# Altium PCB PCB3.PcbDoc (part 1 of 3) (continued)
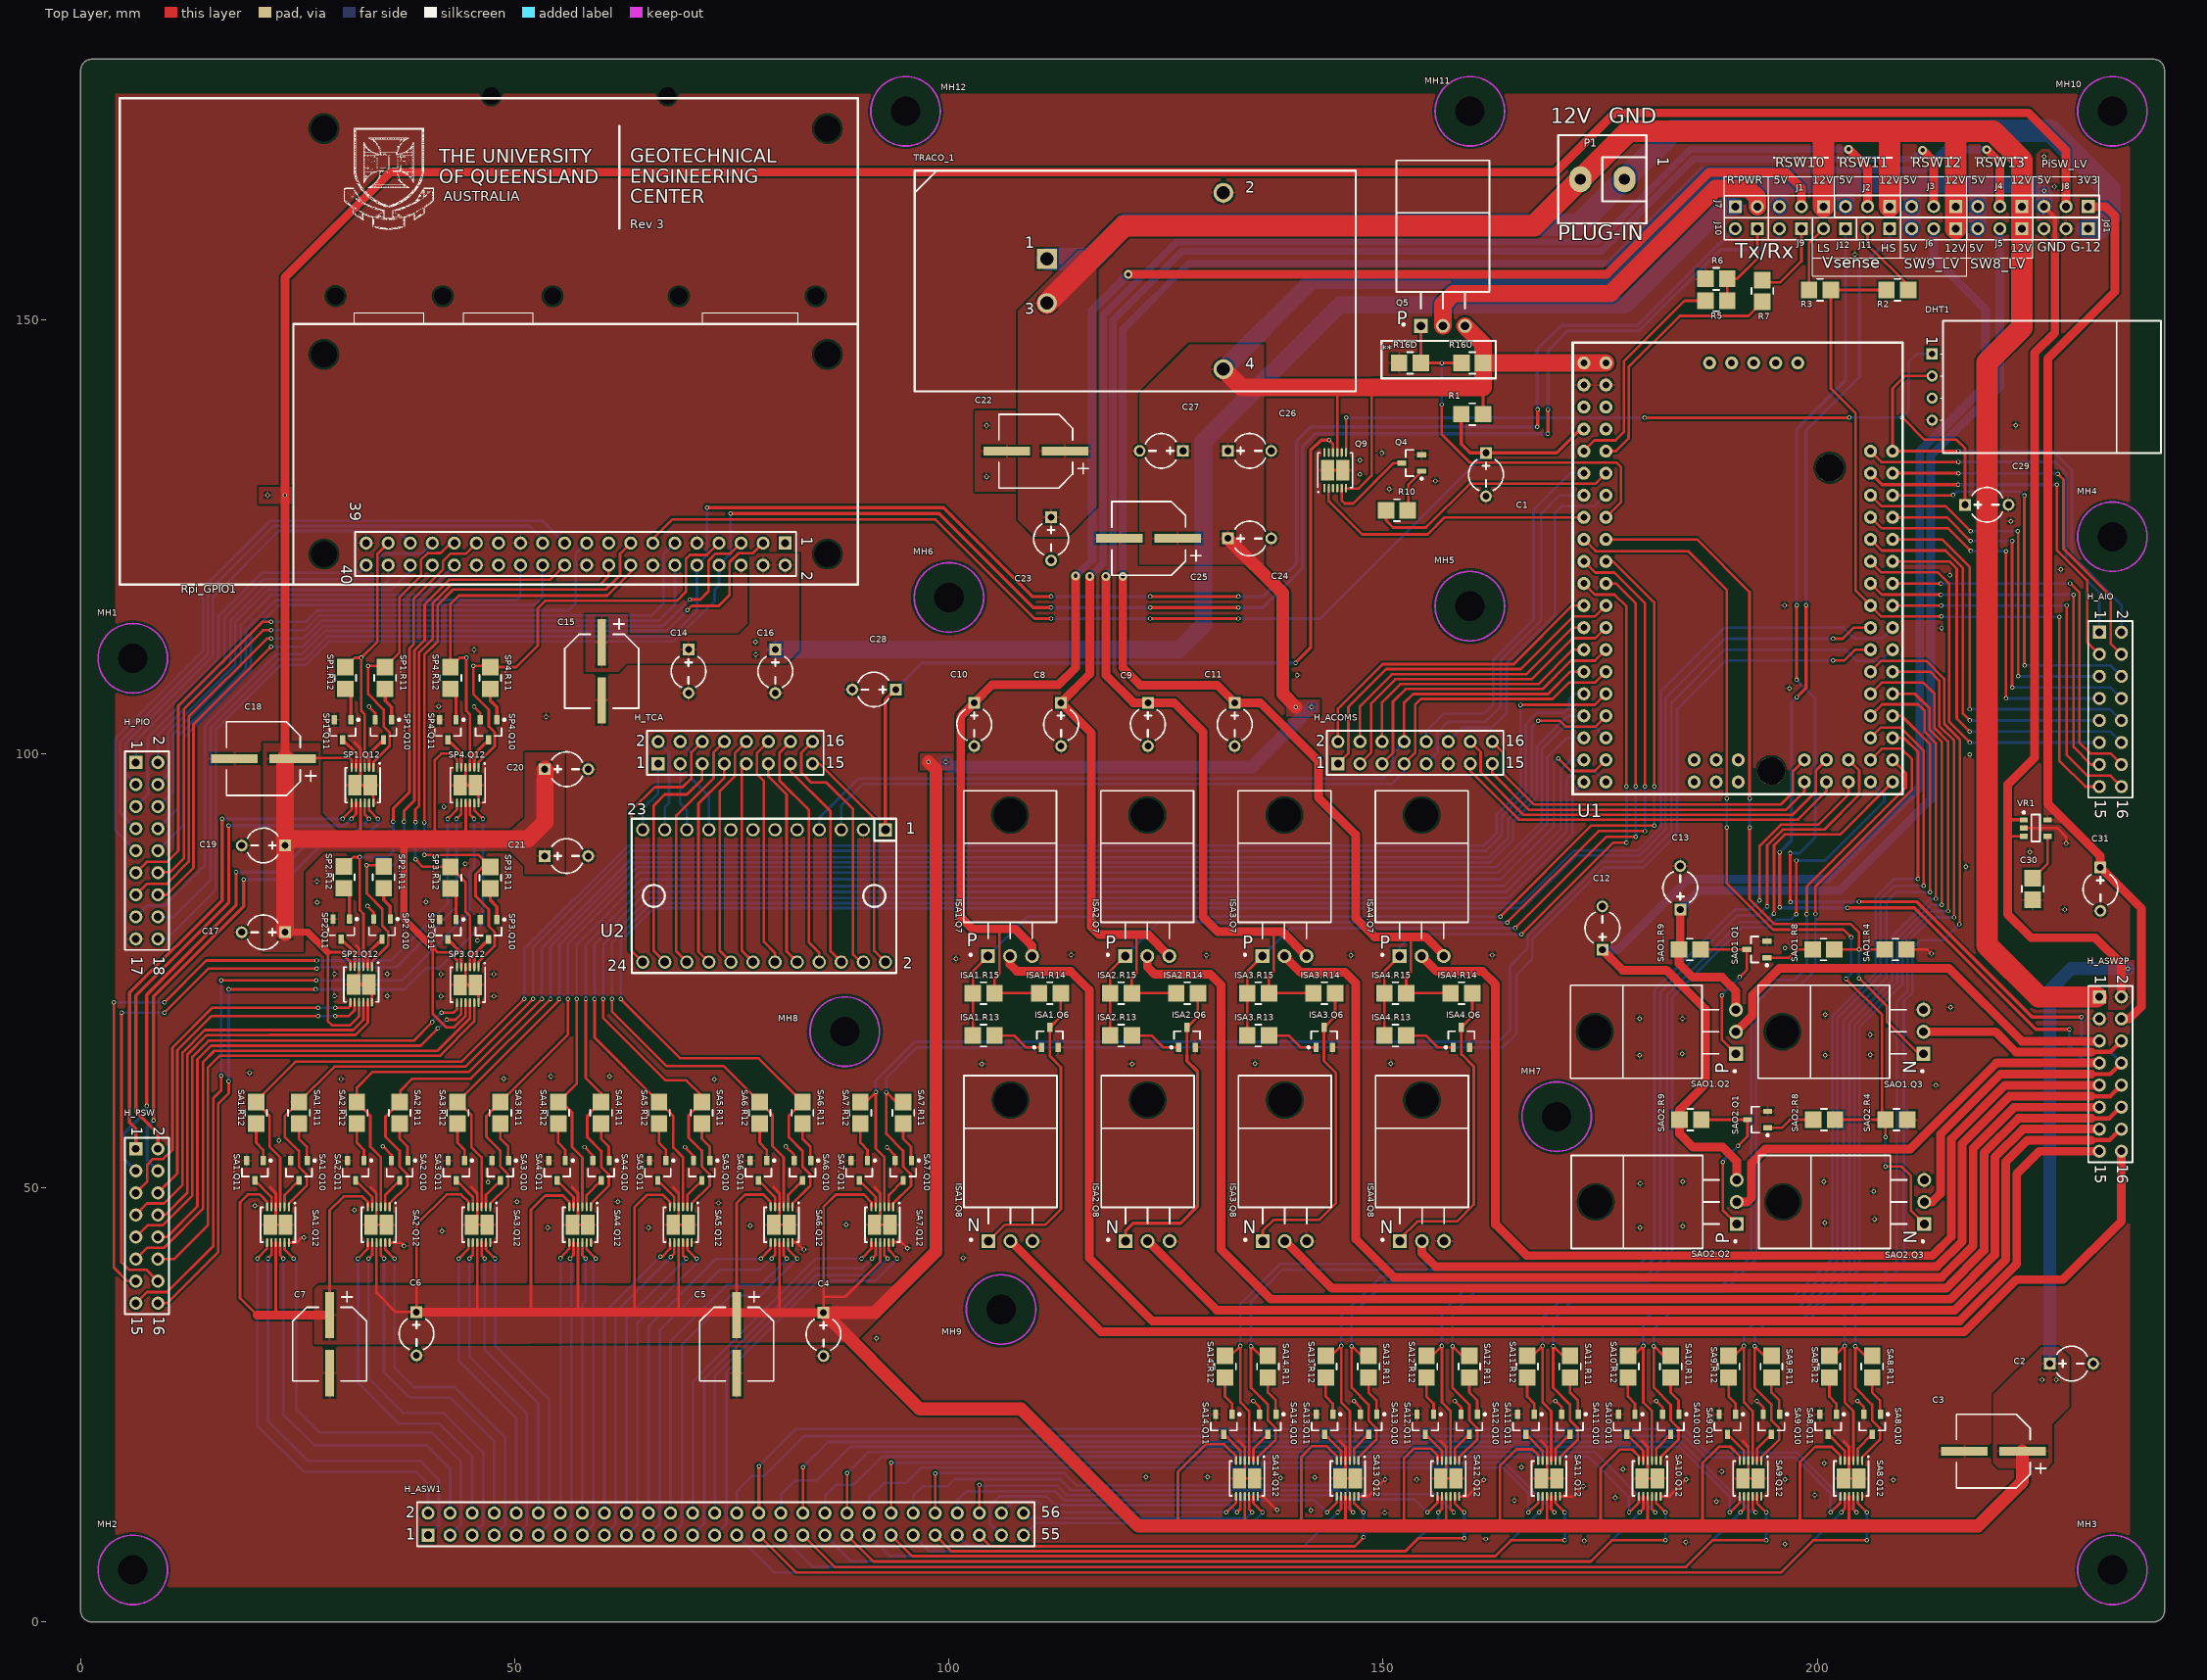
[diagram p0: Top Layer view]
## Components (designator, comment, footprint, x,y, rotation, side; value= is the part's Value field where it differs from the comment) (continued)
Rpi_GPIO1 "Rpi_GPIO" RPI_Z_GPIO_HDR2X20 81.13,124.27 r270 top
SA1.Q10 "BC848B" INF-SOT23_N 25.134,52.001 r270 top (schematic designator Q10)
SA1.Q11 "BC848B" INF-SOT23_N 20.062,52.001 r270 top (schematic designator Q11)
SA1.Q12 "TC8220" DFN400X400X100-12#2 22.72,45.76 r270 top (schematic designator Q12)
SA1.R11 "330" RES-1206_M 25.134,58.637 r270 top (schematic designator R11)
SA1.R12 "330" RES-1206_M 20.199,58.637 r270 top (schematic designator R12)
SA2.Q10 "BC848B" INF-SOT23_N 36.734,52.001 r270 top (schematic designator Q10)
SA2.Q11 "BC848B" INF-SOT23_N 31.662,52.001 r270 top (schematic designator Q11)
SA2.Q12 "TC8220" DFN400X400X100-12#2 34.32,45.76 r270 top (schematic designator Q12)
SA2.R11 "330" RES-1206_M 36.734,58.637 r270 top (schematic designator R11)
SA2.R12 "330" RES-1206_M 31.799,58.637 r270 top (schematic designator R12)
SA3.Q10 "BC848B" INF-SOT23_N 48.334,52.001 r270 top (schematic designator Q10)
SA3.Q11 "BC848B" INF-SOT23_N 43.262,52.001 r270 top (schematic designator Q11)
SA3.Q12 "TC8220" DFN400X400X100-12#2 45.92,45.76 r270 top (schematic designator Q12)
SA3.R11 "330" RES-1206_M 48.334,58.637 r270 top (schematic designator R11)
SA3.R12 "330" RES-1206_M 43.399,58.637 r270 top (schematic designator R12)
SA4.Q10 "BC848B" INF-SOT23_N 59.934,52.001 r270 top (schematic designator Q10)
SA4.Q11 "BC848B" INF-SOT23_N 54.862,52.001 r270 top (schematic designator Q11)
SA4.Q12 "TC8220" DFN400X400X100-12#2 57.52,45.76 r270 top (schematic designator Q12)
SA4.R11 "330" RES-1206_M 59.934,58.637 r270 top (schematic designator R11)
SA4.R12 "330" RES-1206_M 54.999,58.637 r270 top (schematic designator R12)
SA5.Q10 "BC848B" INF-SOT23_N 71.534,52.001 r270 top (schematic designator Q10)
SA5.Q11 "BC848B" INF-SOT23_N 66.462,52.001 r270 top (schematic designator Q11)
SA5.Q12 "TC8220" DFN400X400X100-12#1 69.12,45.76 r270 top (schematic designator Q12)
SA5.R11 "330" RES-1206_M 71.534,58.637 r270 top (schematic designator R11)
SA5.R12 "330" RES-1206_M 66.599,58.637 r270 top (schematic designator R12)
SA6.Q10 "BC848B" INF-SOT23_N 83.134,52.001 r270 top (schematic designator Q10)
SA6.Q11 "BC848B" INF-SOT23_N 78.062,52.001 r270 top (schematic designator Q11)
SA6.Q12 "TC8220" DFN400X400X100-12#2 80.72,45.76 r270 top (schematic designator Q12)
SA6.R11 "330" RES-1206_M 83.134,58.637 r270 top (schematic designator R11)
SA6.R12 "330" RES-1206_M 78.199,58.637 r270 top (schematic designator R12)
SA7.Q10 "BC848B" INF-SOT23_N 94.734,52.001 r270 top (schematic designator Q10)
SA7.Q11 "BC848B" INF-SOT23_N 89.662,52.001 r270 top (schematic designator Q11)
SA7.Q12 "TC8220" DFN400X400X100-12#2 92.32,45.76 r270 top (schematic designator Q12)
SA7.R11 "330" RES-1206_M 94.734,58.637 r270 top (schematic designator R11)
SA7.R12 "330" RES-1206_M 89.799,58.637 r270 top (schematic designator R12)
SA8.Q10 "BC848B" INF-SOT23_N 206.334,22.771 r270 top (schematic designator Q10)
SA8.Q11 "BC848B" INF-SOT23_N 201.262,22.771 r270 top (schematic designator Q11)
SA8.Q12 "TC8220" DFN400X400X100-12#2 203.92,16.53 r270 top (schematic designator Q12)
SA8.R11 "330" RES-1206_M 206.334,29.407 r270 top (schematic designator R11)
SA8.R12 "330" RES-1206_M 201.399,29.407 r270 top (schematic designator R12)
SA9.Q10 "BC848B" INF-SOT23_N 194.734,22.771 r270 top (schematic designator Q10)
SA9.Q11 "BC848B" INF-SOT23_N 189.662,22.771 r270 top (schematic designator Q11)
SA9.Q12 "TC8220" DFN400X400X100-12#2 192.32,16.53 r270 top (schematic designator Q12)
SA9.R11 "330" RES-1206_M 194.734,29.407 r270 top (schematic designator R11)
SA9.R12 "330" RES-1206_M 189.799,29.407 r270 top (schematic designator R12)
SA10.Q10 "BC848B" INF-SOT23_N 183.134,22.771 r270 top (schematic designator Q10)
SA10.Q11 "BC848B" INF-SOT23_N 178.062,22.771 r270 top (schematic designator Q11)
SA10.Q12 "TC8220" DFN400X400X100-12#2 180.72,16.53 r270 top (schematic designator Q12)
SA10.R11 "330" RES-1206_M 183.134,29.407 r270 top (schematic designator R11)
SA10.R12 "330" RES-1206_M 178.199,29.407 r270 top (schematic designator R12)
SA11.Q10 "BC848B" INF-SOT23_N 171.534,22.771 r270 top (schematic designator Q10)
SA11.Q11 "BC848B" INF-SOT23_N 166.462,22.771 r270 top (schematic designator Q11)
SA11.Q12 "TC8220" DFN400X400X100-12#2 169.12,16.53 r270 top (schematic designator Q12)
SA11.R11 "330" RES-1206_M 171.534,29.407 r270 top (schematic designator R11)
SA11.R12 "330" RES-1206_M 166.599,29.407 r270 top (schematic designator R12)
SA12.Q10 "BC848B" INF-SOT23_N 159.934,22.771 r270 top (schematic designator Q10)
SA12.Q11 "BC848B" INF-SOT23_N 154.862,22.771 r270 top (schematic designator Q11)
SA12.Q12 "TC8220" DFN400X400X100-12#2 157.52,16.53 r270 top (schematic designator Q12)
SA12.R11 "330" RES-1206_M 159.934,29.407 r270 top (schematic designator R11)
SA12.R12 "330" RES-1206_M 154.999,29.407 r270 top (schematic designator R12)
SA13.Q10 "BC848B" INF-SOT23_N 148.334,22.771 r270 top (schematic designator Q10)
SA13.Q11 "BC848B" INF-SOT23_N 143.262,22.771 r270 top (schematic designator Q11)
SA13.Q12 "TC8220" DFN400X400X100-12#2 145.92,16.53 r270 top (schematic designator Q12)
SA13.R11 "330" RES-1206_M 148.334,29.407 r270 top (schematic designator R11)
SA13.R12 "330" RES-1206_M 143.399,29.407 r270 top (schematic designator R12)
SA14.Q10 "BC848B" INF-SOT23_N 136.734,22.771 r270 top (schematic designator Q10)
SA14.Q11 "BC848B" INF-SOT23_N 131.662,22.771 r270 top (schematic designator Q11)
SA14.Q12 "TC8220" DFN400X400X100-12#2 134.32,16.53 r270 top (schematic designator Q12)
SA14.R11 "330" RES-1206_M 136.734,29.407 r270 top (schematic designator R11)
SA14.R12 "330" RES-1206_M 131.799,29.407 r270 top (schematic designator R12)
SAO1.Q1 "BC848B" INF-SOT23_N 193.063,77.456 r180 top (schematic designator Q1)
SAO1.Q2 "MOSFET-P" TO-220AB_TABDOWN_PMOS#1 190.648,67.98 r90 top (schematic designator Q2)
SAO1.Q3 "MOSFET-N" TO-220AB_TABDOWN_NMOS 212.25,67.98 r90 top (schematic designator Q3)
SAO1.R4 "10K" RES-1206_M 209.043,77.456 r180 top (schematic designator R4)
SAO1.R8 "330" RES-1206_M 200.723,77.456 r180 top (schematic designator R8)
SAO1.R9 "4K7" RES-1206_M 185.331,77.456 r180 top (schematic designator R9)
SAO2.Q1 "BC848B" INF-SOT23_N 193.14,57.86 r180 top (schematic designator Q1)
SAO2.Q2 "MOSFET-P" TO-220AB_TABDOWN_PMOS#1 190.725,48.384 r90 top (schematic designator Q2)
SAO2.Q3 "MOSFET-N" TO-220AB_TABDOWN_NMOS 212.327,48.384 r90 top (schematic designator Q3)
SAO2.R4 "10K" RES-1206_M 209.12,57.86 r180 top (schematic designator R4)
SAO2.R8 "330" RES-1206_M 200.8,57.86 r180 top (schematic designator R8)
SAO2.R9 "4K7" RES-1206_M 185.409,57.86 r180 top (schematic designator R9)
SP1.Q10 "BC848B" INF-SOT23_N 34.868,102.766 r270 top (schematic designator Q10)
SP1.Q11 "BC848B" INF-SOT23_N 30.168,102.766 r270 top (schematic designator Q11)
SP1.Q12 "TC8220" DFN400X400X100-12#2 32.468,96.386 r270 top (schematic designator Q12)
SP1.R11 "330" RES-1206_M 35.06,108.729 r270 top (schematic designator R11)
SP1.R12 "330" RES-1206_M 30.468,108.729 r270 top (schematic designator R12)
SP2.Q10 "BC848B" INF-SOT23_N 34.704,79.807 r270 top (schematic designator Q10)
SP2.Q11 "BC848B" INF-SOT23_N 30.004,79.807 r270 top (schematic designator Q11)
SP2.Q12 "TC8220" DFN400X400X100-12#2 32.304,73.427 r270 top (schematic designator Q12)
SP2.R11 "330" RES-1206_M 34.896,85.77 r270 top (schematic designator R11)
SP2.R12 "330" RES-1206_M 30.304,85.77 r270 top (schematic designator R12)
SP3.Q10 "BC848B" INF-SOT23_N 46.978,79.767 r270 top (schematic designator Q10)
SP3.Q11 "BC848B" INF-SOT23_N 42.278,79.767 r270 top (schematic designator Q11)
SP3.Q12 "TC8220" DFN400X400X100-12#2 44.578,73.387 r270 top (schematic designator Q12)
SP3.R11 "330" RES-1206_M 47.17,85.73 r270 top (schematic designator R11)
SP3.R12 "330" RES-1206_M 42.578,85.73 r270 top (schematic designator R12)
SP4.Q10 "BC848B" INF-SOT23_N 46.978,102.766 r270 top (schematic designator Q10)
SP4.Q11 "BC848B" INF-SOT23_N 42.278,102.766 r270 top (schematic designator Q11)
SP4.Q12 "TC8220" DFN400X400X100-12#2 44.578,96.386 r270 top (schematic designator Q12)
SP4.R11 "330" RES-1206_M 47.17,108.729 r270 top (schematic designator R11)
SP4.R12 "330" RES-1206_M 42.578,108.729 r270 top (schematic designator R12)
TRACO_1 "TRACO_12vto5.1_151121" TRACO_12VTO5.1_151121 121.454,154.45 r0 top
U1 "MEGA2560-PRO-MINI" MEGA2560PRO-MINI 171.846,147.35 r270 top locked
U2 "TCA9548A_Breakout" TCA9548 78.704,83.63 r270 top
VR1 "TS5205CX533" SOT-25 225.17,91.44 r0 top

## Footprints (in the part's own frame and the unit in brackets; to place one, negate y for a bottom-side part, rotate by r counter-clockwise, add the part's x,y. Pads: shape width x height; smd on the part's side, far side on the other; paste and mask are expansions set on the pad)
CAPAE9083X80M [mm] "Aluminum Electrolytic Capacitor, Case 8x6.5mm, Body 8.30x8.30x8.00mm, IPC Low Density; Support 4x5.5mm,5x5.5mm, 6.3x5.5mm, 6.3x6.3mm, 6.3x8mm"
  rect 5.35x1 smd: 1(-3.35,0) 2(3.35,0)
  silkscreen extent -6.05,-4.25 4.25,4.25, body extent -4.5,-4.25 4.5,4.25, height 8
CAPR5-4X5 [mm] "Capacitor; 2 Leads"
  rect 1.35x1.35 hole 0.8: 1(-2.5,0)
  round 1.35 hole 0.8: 2(2.5,0)
  silkscreen extent -1.69,-2 1.82,2
DFN400X400X100-12#1 [mm] "12-Lead DFN Plastic Package (4mm x 4mm) 0.5mm Pitch"
  rect 1x0.25 smd mask+0.07: 1(-2.05,1.25)
  oval 1x0.25 smd mask+0.07: 2(-2.05,0.75) 3(-2.05,0.25) 4(-2.05,-0.25) 5(-2.05,-0.75) 6(-2.05,-1.25) 7(2.05,-1.25) 8(2.05,-0.75) 9(2.05,-0.25) 10(2.05,0.25) 11(2.05,0.75) 12(2.05,1.25)
  rect 2.35x1.55 smd mask+0.08: 13(0,0.88) 13(0,-0.88)
  Top Layer lines w0.305: 0,0.88 0,-0.88
  silkscreen extent -2.51,-2 2,2, body extent -2,-2 2,2, height 1
DFN400X400X100-12#2 [mm] "12-Lead DFN Plastic Package (4mm x 4mm) 0.5mm Pitch"
  rect 1x0.25 smd mask+0.07: 1(-2.05,1.25)
  oval 1x0.25 smd mask+0.07: 2(-2.05,0.75) 3(-2.05,0.25) 4(-2.05,-0.25) 5(-2.05,-0.75) 6(-2.05,-1.25) 7(2.05,-1.25) 8(2.05,-0.75) 9(2.05,-0.25) 10(2.05,0.25) 11(2.05,0.75) 12(2.05,1.25)
  rect 2.35x1.55 smd mask+0.08: 13(0,0.88) 13(0,-0.88)
  Top Layer lines w0.305: 0,-0.88 0,0 0,0.88
  silkscreen extent -2.51,-2 2,2, body extent -2,-2 2,2, height 1
DHT22_HORIZONTAL [mil]
  rect 50x50 hole 30: 1(-150,0)
  round 50 hole 30: 2(-50,0) 3(50,0) 4(150,0)
  silkscreen extent -300,36 300,1038
HDR1X2 [mm] "Connector; Header; 2 Position"
  rect 1.5x1.5 hole 0.9: 1(0,0)
  round 1.5 hole 0.9: 2(2.54,0)
  silkscreen extent -1.27,-1.27 3.81,1.27
HDR1X3 [mm] "Connector; Header; 3 Position"
  rect 1.5x1.5 hole 0.9: 1(0,0)
  round 1.5 hole 0.9: 2(2.54,0) 3(5.08,0)
  silkscreen extent -1.27,-1.27 6.35,1.27
HDR2X8 [mm] "Connector; Header; 8x2 Position"
  rect 1.5x1.5 hole 0.9: 1(0,0)
  round 1.5 hole 0.9: 2(0,2.54) 3(2.54,0) 4(2.54,2.54) 5(5.08,0) 6(5.08,2.54) 7(7.62,0) 8(7.62,2.54) 9(10.16,0) 10(10.16,2.54) 11(12.7,0) 12(12.7,2.54) 13(15.24,0) 14(15.24,2.54) 15(17.78,0) 16(17.78,2.54)
  silkscreen extent -1.27,-1.27 19.05,3.81
HDR2X9 [mm] "Connector; Header; 9x2 Position"
  rect 1.5x1.5 hole 0.9: 1(0,0)
  round 1.5 hole 0.9: 2(0,2.54) 3(2.54,0) 4(2.54,2.54) 5(5.08,0) 6(5.08,2.54) 7(7.62,0) 8(7.62,2.54) 9(10.16,0) 10(10.16,2.54) 11(12.7,0) 12(12.7,2.54) 13(15.24,0) 14(15.24,2.54) 15(17.78,0) 16(17.78,2.54) 17(20.32,0) 18(20.32,2.54)
  silkscreen extent -1.27,-1.27 21.59,3.81
HDR2X28 [mm] "Connector; Header; 28x2 Position"
  rect 1.5x1.5 hole 0.9: 1(0,0)
  round 1.5 hole 0.9: 2(0,2.54) 3(2.54,0) 4(2.54,2.54) 5(5.08,0) 6(5.08,2.54) 7(7.62,0) 8(7.62,2.54) 9(10.16,0) 10(10.16,2.54) 11(12.7,0) 12(12.7,2.54) 13(15.24,0) 14(15.24,2.54) 15(17.78,0) 16(17.78,2.54) 17(20.32,0) 18(20.32,2.54) 19(22.86,0) 20(22.86,2.54) 21(25.4,0) 22(25.4,2.54) 23(27.94,0) 24(27.94,2.54) 25(30.48,0) 26(30.48,2.54) 27(33.02,0) 28(33.02,2.54) 29(35.56,0) 30(35.56,2.54) 31(38.1,0) 32(38.1,2.54) 33(40.64,0) 34(40.64,2.54) 35(43.18,0) 36(43.18,2.54) 37(45.72,0) 38(45.72,2.54) 39(48.26,0) 40(48.26,2.54) 41(50.8,0) 42(50.8,2.54) 43(53.34,0) 44(53.34,2.54) 45(55.88,0) 46(55.88,2.54) 47(58.42,0) 48(58.42,2.54) 49(60.96,0) 50(60.96,2.54) 51(63.5,0) 52(63.5,2.54) 53(66.04,0) 54(66.04,2.54) 55(68.58,0) 56(68.58,2.54)
  silkscreen extent -1.27,-1.27 69.85,3.81
INF-SOT23_N [mm] "SOT23, 3-Leads, Body 2.9x1.3 mm, Pitch 0.95 mm, IPC Medium Density"
  rect 1.05x0.6 smd: 1(-1.15,0.95) 2(-1.15,-0.95) 3(1.15,0)
  silkscreen extent -1.27,-1.5 0.7,1.92, body extent -0.7,-1.5 0.7,1.5, height 1.1
M3 [mm] "M3 Screw Mounting Hole, 6mm Head Diameter Clearance"
  round 0 hole 3.4 unplated: 0(0,0)
  Keep-Out Layer circle w0.2: c0,0 r4
MEGA2560PRO-MINI [mm]
  round 3.2 hole 3.2 unplated: 0(14.405,29.601) 0(49.33,22.87)
  round 1.5 / inner round 1.524 / far side round 1.676 hole 0.8: 5V@3(50.6,19.06) A0(12.5,36.84) A1(12.5,34.3) A2(15.04,36.84) A3(15.04,34.3) A4(17.58,36.84) A5(17.58,34.3) A6(20.12,36.84) A7(20.12,34.3) A8(22.66,36.84) A9(22.66,34.3) A10(25.2,36.84) A11(25.2,34.3) A12(27.74,36.84) A13(27.74,34.3) A14(30.28,36.84) A15(30.28,34.3) AREF(9.96,3.82) D2(15.04,3.82) D3(15.04,1.28) D4(17.58,3.82) D5(17.58,1.28) D6(20.12,3.82) D7(20.12,1.28) D8(22.66,3.82) D9(22.66,1.28) D10(25.2,3.82) D11(25.2,1.28) D12(27.74,3.82) D13(27.74,1.28) D14(30.28,3.82) D15(30.28,1.28) D16(32.82,3.82) D17(32.82,1.28) D18(35.36,3.82) D19(35.36,1.28) D20(37.9,3.82) D21(37.9,1.28) D22(40.44,3.82) D23(40.44,1.28) D24(42.98,3.82) D25(42.98,1.28) D26(45.52,3.82) D27(45.52,1.28) D28(48.06,3.82) D29(48.06,1.28) D30(50.6,3.82) D31(50.6,1.28) D32(32.82,36.84) D33(32.82,34.3) D34(35.36,36.84) D35(35.36,34.3) D36(37.9,36.84) D37(37.9,34.3) D38(40.44,36.84) D39(40.44,34.3) D40(42.98,36.84) D41(42.98,34.3) D42(45.52,36.84) D43(45.52,34.3) D44(48.06,36.84) D45(48.06,34.3) D46(50.6,36.84) D47(50.6,34.3) D48(50.6,31.76) D49(48.06,31.76) D50(50.6,29.22) D51(48.06,29.22) D52(50.6,26.68) D53(48.06,26.68) GND@1(4.88,1.28) GND@2(4.88,3.82) GND@3(50.6,13.98) GND@4(2.34,25.918) MISO(48.06,19.06) MOSI(50.6,16.52) RESET(48.06,13.98) RST@1(9.96,1.28) RST@2(2.34,15.758) RX@1(12.5,3.82) RX@2(2.34,20.838) SCK(48.06,16.52) TX@1(12.5,1.28) TX@2(2.34,18.298) VCC@1(7.42,1.28) VCC@2(7.42,3.82) VCC@3(2.34,23.378) VIN@1(2.34,1.28) VIN@2(2.34,3.82)
  silkscreen extent 0,0 52,38
PHOENIX_2PIN [mm]
  oval 3x2.5 hole 1.27: 1(0,2.54) 2(0,-2.54)
  silkscreen extent -5.08,-5.08 5.08,5.08
RES-1206_M [mm] "Chip Resistor, 2-Leads, Body 3.2x1.6mm, IPC Low Density, 0805 Compliant"
  rect 1.9x1.9 smd: 1(-1.25,0) 2(1.25,0)
  silkscreen extent -0.35,-1.25 0.35,1.25, body extent -1.65,-0.87 1.65,0.87, height 0.65
RPI_Z_GPIO_HDR2X20 [mm] "Connector; Header; 20x2 Position"
  round 1.524 hole 3 unplated: 0(-47.73,-53.13) 0(-47.73,4.87) 0(-21.73,4.87) 0(-21.73,-53.13) 0(1.27,-53.13) 0(1.27,4.87)
  rect 1.5x1.5 hole 0.9: 1(0,0)
  round 1.5 hole 0.9: 2(2.54,0) 3(0,-2.54) 4(2.54,-2.54) 5(0,-5.08) 6(2.54,-5.08) 7(0,-7.62) 8(2.54,-7.62) 9(0,-10.16) 10(2.54,-10.16) 11(0,-12.7) 12(2.54,-12.7) 13(0,-15.24) 14(2.54,-15.24) 15(0,-17.78) 16(2.54,-17.78) 17(0,-20.32) 18(2.54,-20.32) 19(0,-22.86) 20(2.54,-22.86) 21(0,-25.4) 22(2.54,-25.4) 23(0,-27.94) 24(2.54,-27.94) 25(0,-30.48) 26(2.54,-30.48) 27(0,-33.02) 28(2.54,-33.02) 29(0,-35.56) 30(2.54,-35.56) 31(0,-38.1) 32(2.54,-38.1) 33(0,-40.64) 34(2.54,-40.64) 35(0,-43.18) 36(2.54,-43.18) 37(0,-45.72) 38(2.54,-45.72) 39(0,-48.26) 40(2.54,-48.26)
  silkscreen extent -51.23,-76.63 4.77,8.37, body extent -26.52,-56.63 4.71,8.37, height 13.35
SOT-25 [mm] "SOT25, 5-Leads, Body 2.90x2.70mm, Pitch 0.95mm, IPC Medium Density"
  rect 0.95x0.6 smd: 1(-1.375,0.95) 2(-1.375,0) 3(-1.375,-0.95) 4(1.375,-0.95) 5(1.375,0.95)
  silkscreen extent -1.5,-1.55 0.5,1.92, body extent -1.5,-1.55 1.5,1.55, height 1.25
TCA9548 [mil]
  rect 60x60 hole 40: 1(-300,550)
  round 60 hole 40: 2(300,550) 3(-300,450) 4(300,450) 5(-300,350) 6(300,350) 7(-300,250) 8(300,250) 9(-300,150) 10(300,150) 11(-300,50) 12(300,50) 13(-300,-50) 14(300,-50) 15(-300,-150) 16(300,-150) 17(-300,-250) 18(300,-250) 19(-300,-350) 20(300,-350) 21(-300,-450) 22(300,-450) 23(-300,-550) 24(300,-550)
  silkscreen extent -350,-600 350,600
TO-220AB_TABDOWN_NMOS [mm] "TO, Thru-Hole, Horizontal, Heatsink Mounted; 3 In-Line Leads; Pitch 2.54 mm"
  round 0 hole 3.8 unplated: 0(0,16.25)
  rect 1.6x1.6 hole 1: 1(-2.54,0)
  round 1.6 hole 1: 2(0,0) 3(2.54,0)
  silkscreen extent -5.35,0.03 5.35,19.05, body extent -5.4,3.83 5.4,19.04, height 4.65
TO-220AB_TABDOWN_PMOS#1 [mm] "TO, Thru-Hole, Horizontal, Heatsink Mounted; 3 In-Line Leads; Pitch 2.54 mm"
  round 0 hole 3.8 unplated: 0(0,16.25)
  rect 1.6x1.6 hole 1: 1(-2.54,0)
  round 1.6 hole 1: 2(0,0) 3(2.54,0)
  silkscreen extent -5.35,0.03 5.35,19.05, body extent -5.4,3.83 5.4,19.04, height 4.65
TO-220AB_TABDOWN_PMOS#2 [mm] "TO, Thru-Hole, Horizontal, Heatsink Mounted; 3 In-Line Leads; Pitch 2.54 mm"
  round 0 on Top Overlay: 0(0,16.25)
  rect 1.6x1.6 hole 1: 1(-2.54,0)
  round 1.6 hole 1: 2(0,0) 3(2.54,0)
  silkscreen extent -5.35,0.03 5.35,19.05, body extent -5.4,3.83 5.4,19.04, height 4.65
TRACO_12VTO5.1_151121 [mil]
  rect 90x90 hole 60: 1(-400,100)
  round 90 hole 60: 2(400,400) 3(-400,-100) 4(400,-400)
  silkscreen extent -1000,-500 1000,500, body extent -1000,-500 1000,500, height 402

## Part data
C1 C3 C5 C7 C8 C9 C10 C11 C12 C13 C14 C15 C16 C17 C18 C19 C20 C21 C22 C23 C24 C25 C26 C27 C28 C29 C30 C31: library part Cap2, "Capacitor", PackageDescription="Capacitor; 2 Leads", PackageReference=CAPR5-4X5, Published=23-Sep-2002, Publisher="Altium Limited"
  C1 C5 C15 C17 C22 C24: Link=https://au.rs-online.com/web/p/ceramic-multilayer-capacitors/6995137/
  C3 C7 C18 C20 C23 C28 C29: Link=https://au.rs-online.com/web/p/aluminium-capacitors/1918277/
  C8 C9 C10 C11 C12 C13 C14 C19 C21 C25 C26 C27 C30 C31: Link=https://au.rs-online.com/web/p/aluminium-capacitors/2244325/
C2 C4 C6: library part Cap2, "Capacitor, Could also be 10u,220u", PackageDescription="Capacitor; 2 Leads", PackageReference=CAPR5-4X5, Published=23-Sep-2002, Publisher="Altium Limited"
  C2 C6: Link=https://au.rs-online.com/web/p/ceramic-multilayer-capacitors/6995137/
  C4: Link=https://au.rs-online.com/web/p/aluminium-capacitors/1918277/
H_ACOMS H_AIO H_ASW2P H_PSW H_TCA: library part "Header 8X2", "Header, 8-Pin, Dual row", LatestRevisionDate=17-Jul-2002, LatestRevisionNote="Re-released for DXP Platform.", Publisher="Altium Limited", System=Connector
H_ASW1: library part "Header 28X2", "Header, 28-Pin, Dual row", LatestRevisionDate=17-Jul-2002, LatestRevisionNote="Re-released for DXP Platform.", Publisher="Altium Limited", System=Connector
H_PIO: library part "Header 9X2", "Header, 9-Pin, Dual row", LatestRevisionDate=17-Jul-2002, LatestRevisionNote="Re-released for DXP Platform.", Publisher="Altium Limited", System=Connector
ISA1.Q6 ISA2.Q6 ISA3.Q6 ISA4.Q6 Q4 SA1.Q10 SA1.Q11 SA2.Q10 SA2.Q11 SA3.Q10 SA3.Q11 SA4.Q10 SA4.Q11 SA5.Q10 SA5.Q11 SA6.Q10 SA6.Q11 SA7.Q10 SA7.Q11 SA8.Q10 SA8.Q11 SA9.Q10 SA9.Q11 SA10.Q10 SA10.Q11 SA11.Q10 SA11.Q11 SA12.Q10 SA12.Q11 SA13.Q10 SA13.Q11 SA14.Q10 SA14.Q11 SAO1.Q1 SAO2.Q1 SP1.Q10 SP1.Q11 SP2.Q10 SP2.Q11 SP3.Q10 SP3.Q11 SP4.Q10 SP4.Q11: "NPN Silicon AF Transistor, 30 V VCEO, 100 mA IC, SOT23, Reel, Green", Manufacturer=Infineon, ComponentLink1Description="Manufacturer URL", ComponentLink1URL=http://www.infineon.com/, ComponentLink2Description=Datasheet, ComponentLink2URL=http://www.infineon.com/dgdl/bc847series_bc848series_bc849series_bc850series.pdf?folderId=db3a304314dca389011541d30fa21656&fileId=db3a304314dca389011541d4630a1657, ComponentLink3Description="Package Specification", ComponentLink3URL=http://www.infineon.com/dgdl/SOT23-Package_Overview.pdf?folderId=db3a30431936bc4b0119532290053c66&fileId=db3a30431936bc4b0119533468123c85, fT (typ)="250 MHz", Green=TRUE, IBM (max)="200 mA", IC (max)="100 mA", ICBO (max)="15 nA", ICM (max)="200 mA", Mounting Technology="Surface Mount", PackageDescription="3-Pin Small Outline Transistor Package, 1.3 x 2.9 mm Body, 0.95 mm Pitch", PackageReference=SOT23, PackageVersion=Apr-08, Packing=Reel, PartNumber=BC848B, Polarity=NPN, Ptot (max)="330 mW", VCBO (max)="30 V", VCEO (max)="30 V", VEBO (max)="6 V"
ISA1.Q7 ISA2.Q7 ISA3.Q7 ISA4.Q7 Q5 SAO1.Q2 SAO2.Q2: "P-Channel MOSFET", LatestRevisionDate=17-Jul-2002, LatestRevisionNote="Re-released for DXP Platform.", PackageDescription="TO, Flat Index; 3 In-Line, Axial Leads; Body Dia. 4.6mm; Lead Dia. 0.5 mm (max)", PackageReference=E3, PackageVersion=1995/1996, Published=8-Jun-2000, Publisher="Altium Limited"
  ISA1.Q7 ISA2.Q7 ISA3.Q7 ISA4.Q7 SAO1.Q2 SAO2.Q2: Link=https://au.rs-online.com/web/p/mosfets/9194867/
  Q5: Link=https://au.rs-online.com/web/p/mosfets/1655218/
ISA1.Q8 ISA2.Q8 ISA3.Q8 ISA4.Q8 SAO1.Q3 SAO2.Q3: "N-Channel MOSFET", LatestRevisionDate=17-Jul-2002, LatestRevisionNote="Re-released for DXP Platform.", Link=https://au.rs-online.com/web/p/mosfets/1241400/, PackageDescription="TO, Flat Index; 3 In-Line, Axial Leads; Body Dia. 4.6mm; Lead Dia. 0.5 mm (max)", PackageReference=E3, PackageVersion=1995/1996, Published=8-Jun-2000, Publisher="Altium Limited"
ISA1.R13 ISA1.R14 ISA1.R15 ISA2.R13 ISA2.R14 ISA2.R15 ISA3.R13 ISA3.R14 ISA3.R15 ISA4.R13 ISA4.R14 ISA4.R15 R1 R2 R3 R5 R6 R7 R10 R16D R16U SA1.R11 SA1.R12 SA2.R11 SA2.R12 SA3.R11 SA3.R12 SA4.R11 SA4.R12 SA5.R11 SA5.R12 SA6.R11 SA6.R12 SA7.R11 SA7.R12 SA8.R11 SA8.R12 SA9.R11 SA9.R12 SA10.R11 SA10.R12 SA11.R11 SA11.R12 SA12.R11 SA12.R12 SA13.R11 SA13.R12 SA14.R11 SA14.R12 SAO1.R4 SAO1.R8 SAO1.R9 SAO2.R4 SAO2.R8 SAO2.R9 SP1.R11 SP1.R12 SP2.R11 SP2.R12 SP3.R11 SP3.R12 SP4.R11 SP4.R12: library part Res2, "Resistor", LatestRevisionDate=17-Jul-2002, LatestRevisionNote="Re-released for DXP Platform.", PackageDescription="Axial Device, Thru-Hole; 2 Leads; 0.4 in Pin Spacing", PackageReference=AXIAL-0.4, Published=8-Jun-2000, Publisher="Altium Limited"
  ISA1.R13 ISA2.R13 ISA3.R13 ISA4.R13 R7 R10 SAO1.R8 SAO2.R8: Link=https://au.rs-online.com/web/p/through-hole-fixed-resistors/7398714/
  ISA1.R14 ISA1.R15 ISA2.R14 ISA2.R15 ISA3.R14 ISA3.R15 ISA4.R14 ISA4.R15 R1 R16D R16U SAO1.R9 SAO2.R9: Link=https://au.rs-online.com/web/p/through-hole-fixed-resistors/6833799/
  R2: Link=https://au.rs-online.com/web/p/through-hole-fixed-resistors/1660234/
  R3: Link=https://au.rs-online.com/web/p/through-hole-fixed-resistors/0148461/
  R5: Link=https://au.rs-online.com/web/p/through-hole-fixed-resistors/1251142/
  R6: Link=https://au.rs-online.com/web/p/through-hole-fixed-resistors/0132551/
  SAO1.R4 SAO2.R4: Link=https://au.rs-online.com/web/p/through-hole-fixed-resistors/1251148/
J1: library part "Header 3", "Header, 3-Pin / ISA1 (D10), Inverted Switch 12V-5V Select", LatestRevisionDate=17-Jul-2002, LatestRevisionNote="Re-released for DXP Platform.", Publisher="Altium Limited"
J2: library part "Header 3", "Header, 3-Pin / ISA2 (D11), Inverted Switch 12V-5V Select", LatestRevisionDate=17-Jul-2002, LatestRevisionNote="Re-released for DXP Platform.", Publisher="Altium Limited"
J3: library part "Header 3", "Header, 3-Pin / ISA3 (D12), Inverted Switch 12V-5V Select", LatestRevisionDate=17-Jul-2002, LatestRevisionNote="Re-released for DXP Platform.", Publisher="Altium Limited"
J4: library part "Header 3", "Header, 3-Pin / ISA4 (D13), Inverted Switch 12V-5V Select", LatestRevisionDate=17-Jul-2002, LatestRevisionNote="Re-released for DXP Platform.", Publisher="Altium Limited"
J5: "Header, 3-Pin / SAO1 (D8), 12V 5V Select", LatestRevisionDate=17-Jul-2002, LatestRevisionNote="Re-released for DXP Platform.", Publisher="Altium Limited"
J6: "Header, 3-Pin / SAO2 (D9), 12V 5V Select", LatestRevisionDate=17-Jul-2002, LatestRevisionNote="Re-released for DXP Platform.", Publisher="Altium Limited"
J7: "Header, 2-Pin / Arduino->RPI Power", LatestRevisionDate=17-Jul-2002, LatestRevisionNote="Re-released for DXP Platform.", Publisher="Altium Limited"
J8: "Header, 3-Pin / RPI, 5V or 3V Power", LatestRevisionDate=17-Jul-2002, LatestRevisionNote="Re-released for DXP Platform.", Publisher="Altium Limited"
J9: "Header, 2-Pin / A-RX <> P-TX", LatestRevisionDate=17-Jul-2002, LatestRevisionNote="Re-released for DXP Platform.", Publisher="Altium Limited"
J10: "Header, 2-Pin / A-TX <> P-RX", LatestRevisionDate=17-Jul-2002, LatestRevisionNote="Re-released for DXP Platform.", Publisher="Altium Limited"
J11: "Header, 2-Pin / VSense, HS", LatestRevisionDate=17-Jul-2002, LatestRevisionNote="Re-released for DXP Platform.", Publisher="Altium Limited"
J12: "Header, 2-Pin / VSense, LS", LatestRevisionDate=17-Jul-2002, LatestRevisionNote="Re-released for DXP Platform.", Publisher="Altium Limited"
Jd1: library part "Header 3", "12V and 5v Tie in Ground", LatestRevisionDate=17-Jul-2002, LatestRevisionNote="Re-released for DXP Platform.", Publisher="Altium Limited"
P1: library part Phoenix_2pin, "Plug IN"
Q9 SA1.Q12 SA2.Q12 SA3.Q12 SA4.Q12 SA5.Q12 SA6.Q12 SA7.Q12 SA8.Q12 SA9.Q12 SA10.Q12 SA11.Q12 SA12.Q12 SA13.Q12 SA14.Q12 SP1.Q12 SP2.Q12 SP3.Q12 SP4.Q12: "Two pair, N- & P-Channel Enhancement MOSFET"
Rpi_GPIO1: library part Rpi_GPIO_1, "Header, 20-Pin, Dual row", LatestRevisionDate=17-Jul-2002, LatestRevisionNote="Re-released for DXP Platform.", Publisher="Altium Limited"
U1: "RoboDyn Mega2560 Pro Mini, Either 5V or 3.3V incorporated regulator", ComponentLink1Description=Robodyn, ComponentLink1URL=https://robotdyn.com/mega-2560-pro-mini-atmega2560-16au.html
U2: "Adafruit TCA9548A 1-to-8 I2C Multiplexer Breakout"
VR1: library part TS5205, "150mA Low Noise LDO Voltage Regulator with Enable Function"
TRACO_1: Link=https://au.rs-online.com/web/p/isolated-dc-dc-converters/1665605/

## Free pads (board coordinates)
  round 0 hole 2 unplated: 0(29.354,152.71) 0(41.704,152.7) 0(47.274,175.79) 0(54.354,152.7) 0(67.594,175.79) 0(68.894,152.7) 0(84.664,152.7)

## Via types
v1: diameter 0.5, hole 0.3, Top Layer to Bottom Layer, 405 vias
v2: diameter 1, hole 0.5, Top Layer to Bottom Layer, 8 vias

## Nets (pads, with @x,y where several pads share a name; then routed paths per layer and width w, separated by ;. In a path a pad name is that pad's centre, name@x,y a point inside that pad or via, vN(x,y) a via of type N, cw(c..) or ccw(c..) an arc to the next point about the centre after c; other vN are vias at no path point)
3.3V: C31.1 H_ASW2P.4 J8.1 VR1.5 | length 105.2
  Top Layer w1: J8.1@231.203,163.03 233.21,163.03 234.3,161.94 234.3,153.25 226.545,145.495 226.545,94.275 232.62,88.2 C31.1@232.62,86.91 237.34,82.19 237.34,70.88 235.92,69.46 H_ASW2P.4@235.04,69.46
5V: C2.1 C3.1 C4.1 C5.1 C6.1 C7.1 C24.1 C25.1 C26.1 C27.1 H_ASW2P.2 J1.3 J2.3 J3.3 J4.3 J5.3 J6.3 J8.3 Q5.3 Q9.6 Q9.9 R1.2 R16U.2 SA1.Q12.6 SA1.Q12.9 SA2.Q12.6 SA2.Q12.9 SA3.Q12.6 SA3.Q12.9 SA4.Q12.6 SA4.Q12.9 SA5.Q12.6 SA5.Q12.9 SA6.Q12.6 SA6.Q12.9 SA7.Q12.6 SA7.Q12.9 SA8.Q12.6 SA8.Q12.9 SA9.Q12.6 SA9.Q12.9 SA10.Q12.6 SA10.Q12.9 SA11.Q12.6 SA11.Q12.9 SA12.Q12.6 SA12.Q12.9 SA13.Q12.6 SA13.Q12.9 SA14.Q12.6 SA14.Q12.9 TRACO_1.4 U1.VIN@1 U1.VIN@2 VR1.1 VR1.3 | length 1013.8
  Top Layer w0.305: 20.3,35.35 18.35,37.3 18.35,48.34 19.25,49.24 20.64,49.24 21.47,48.41 SA1.Q12.6@21.47,47.86 ; SA1.Q12.9@22.47,43.66 22.47,35.39 22.51,35.35 ; C7.1@28.669,35.35 28.669,47.399 30.29,49.02 32.42,49.02 33.07,48.37 SA2.Q12.6@33.07,47.86 ; SA2.Q12.9@34.07,43.66 34.07,37.934 36.3,35.704 C6.1@38.6,35.704 ; C6.1@39.023,35.69 39.009,35.704 C6.1@38.669,35.704 38.669,45.789 42.13,49.25 43.79,49.25 44.67,48.37 SA3.Q12.6@44.67,47.86 ; 45.48,35.69 45.67,35.88 SA3.Q12.9@45.67,43.66 ; 51.85,35.69 51.85,47.47 53.49,49.11 55.54,49.11 56.27,48.38 SA4.Q12.6@56.27,47.86 ; 57.17,35.69 57.27,35.79 SA4.Q12.9@57.27,43.66 ; 63.77,35.69 63.77,47.75 65.22,49.2 67.04,49.2 67.87,48.37 SA5.Q12.6@67.87,47.86 ; 68.71,35.69 68.87,35.85 SA5.Q12.9@68.87,43.66 ; C5.1@75.548,35.35 75.548,35.69 75.548,48.248 76.52,49.22 78.62,49.22 79.411,48.429 SA6.Q12.6@79.411,47.86 ; 80.4,35.64 80.47,35.71 SA6.Q12.9@80.47,43.66 ; C4.1@85.548,35.64 85.548,37.46 85.548,47.798 86.97,49.22 90.19,49.22 91.07,48.34 SA7.Q12.6@91.07,47.86 ; 85.58,37.46 88.05,37.46 92.07,41.48 SA7.Q12.9@92.07,43.66 ; 126.38,11.06 126.38,17.29 129.56,20.47 131.68,20.47 133.07,19.08 SA14.Q12.6@133.07,18.63 ; 133.9,11.06 134.07,11.23 SA14.Q12.9@134.07,14.43 ; 140.59,11.06 140.59,19.013 141.847,20.27 143.49,20.27 144.67,19.09 SA13.Q12.6@144.67,18.63 ; 144.59,142.19 144.734,142.046 Q9.9@144.734,134.75 ; 145.52,11.06 145.67,11.21 SA13.Q12.9@145.67,14.43 ; Q9.6@145.734,130.55 147.18,130.55 148.68,132.05 148.68,142.15 148.64,142.19 ; 152.43,11.06 152.4,11.09 152.4,18.8 153.59,19.99 155.48,19.99 156.27,19.2 SA12.Q12.6@156.27,18.63 ; 157.15,11.06 157.27,11.18 SA12.Q12.9@157.27,14.43 ; 163.45,11.06 163.45,17.99 165.36,19.9 167.14,19.9 167.16,19.92 167.87,19.21 SA11.Q12.6@167.87,18.63 ; 168.75,11.06 168.87,11.18 SA11.Q12.9@168.87,14.43 ; 175.05,11.06 175.05,17.67 177.24,19.86 178.699,19.86 179.47,19.089 SA10.Q12.6@179.47,18.63 ; 180.46,11.06 180.47,11.07 SA10.Q12.9@180.47,14.43 ; 186.79,11.06 186.79,18.29 188.7,20.2 189.98,20.2 191.07,19.11 SA9.Q12.6@191.07,18.63 ; 192.02,11.06 192.07,11.11 SA9.Q12.9@192.07,14.43 ; 198.03,11.06 198.03,18.43 199.78,20.18 201.66,20.18 202.67,19.17 SA8.Q12.6@202.67,18.63 ; 203.58,11.06 203.67,11.15 SA8.Q12.9@203.67,14.43 ; 221.93,90.47 221.95,90.49 VR1.3@223.795,90.49
  Top Layer w0.381: R1.2@161.524,139.48 161.524,142.19 ; 221.93,92.39 VR1.1@223.795,92.39
  Top Layer w0.5: J8.3@226.123,163.03 227.382,161.771 227.382,158.862
  Top Layer w1: 20.3,35.35 22.51,35.35 C7.1@28.669,35.35 ; C6.1@39.023,35.69 45.48,35.69 51.85,35.69 57.17,35.69 63.77,35.69 68.71,35.69 C5.1@75.548,35.69 ; C5.1@75.838,35.64 80.4,35.64 C4.1@85.548,35.64 ; 227.382,158.862 227.382,148.502 225.03,146.15 225.03,99.53 221.93,96.43 221.93,92.39 221.93,90.47 221.93,81.53 224.65,78.81 232.03,78.81 235.034,75.806 H_ASW2P.2@235.034,72
  Top Layer w1.5: v1(97.64,99.06) 98.5,98.2 98.5,42.66 91.48,35.64 C4.1@85.548,35.64 96.628,24.56 108.3,24.56 121.8,11.06 126.38,11.06 133.9,11.06 140.59,11.06 145.52,11.06 152.43,11.06 157.15,11.06 163.45,11.06 168.75,11.06 175.05,11.06 180.46,11.06 186.79,11.06 192.02,11.06 198.03,11.06 203.58,11.06 218.51,11.06 223.64,16.19 C3.1@223.64,19.68 ; C24.1@132.124,124.798 138.45,118.472 138.45,107.21 ; 138.45,106.88 v1(139.94,105.39)
  Top Layer w2: TRACO_1.4@131.614,144.29 133.714,142.19 144.59,142.19 148.64,142.19 ; 148.64,142.194 161.524,142.194 ; Q5.3@159.434,149.28 161.524,147.19 161.524,145.34 R16U.2@161.524,145.01 ; 161.524,142.6 R16U.2@161.524,145.01 ; 175.666,145.01 173.126,145.01 R16U.2@161.524,145.01
  Bottom Layer w1.5: v1(99.634,99.07) 100.234,98.47 134.85,98.47 v1(141.77,105.39) ; C2.1@226.79,29.76 226.79,72.78 229.26,75.25 v1(235.79,75.25)
  Bottom Layer w2: TRACO_1.4@131.614,144.29 141.854,154.53 176.83,154.53 187.893,165.593 195.78,165.593 ; J1.3@195.643,163.02 195.643,165.456 195.78,165.593 ; J2.3@203.263,163.03 203.263,165.55 203.22,165.593 ; J6.3@210.883,160.48 J3.3@210.883,163.03 210.883,165.557 210.92,165.593 ; J5.3@218.503,160.48 J4.3@218.503,163.03 218.503,165.586 218.51,165.593 ; J8.3@226.123,163.03 226.123,164.517 225.047,165.593 218.51,165.593 ; 195.78,165.593 203.22,165.593 ; 203.22,165.593 210.92,165.593 ; 210.92,165.593 218.51,165.593
  other v1: 225.895,27.903 227.53,27.903 226.14,164.85 227.33,165.32 226.151,168.797
5V12V_HS_1: H_ASW2P.5 SAO1.Q2.2 | length 49.7
  Top Layer w1: SAO1.Q2.2@190.648,67.98 192.562,69.895 192.562,72.212 195.62,75.27 215.2,75.27 223.571,66.899 H_ASW2P.5@232.5,66.899
5V12V_HS_2: H_ASW2P.7 J11.1 SAO2.Q2.2 | length 179.5
  Top Layer w0.381: v1(195.68,82.31) v1(195.68,88.65) ; v1(197.66,106.535) 198.71,107.585 v1@198.71,117.13 ; v1(203.485,82.255) 211.195,82.255 225.19,68.26 v1(229.048,68.26)
  Top Layer w1: SAO2.Q2.2@190.725,48.384 191.94,48.384 192.44,48.884 192.44,52.896 194.024,54.48 210.74,54.48 220.64,64.38 H_ASW2P.7@232.5,64.38
  Bottom Layer w0.381: v1(195.68,82.31) 195.735,82.255 v1(203.485,82.255) ; v1(195.68,88.65) 197.04,90.01 197.04,105.915 v1(197.66,106.535) ; v1@198.71,117.13 198.71,137.24 204.87,143.4 204.87,155.893 208.343,159.367 J11.1@208.343,160.48 ; v1(229.048,68.26) 229.048,66.35 231.018,64.38 H_ASW2P.7@232.5,64.38
  other v1: 198.72,117.13
5V12V_LS_1: H_ASW2P.6 SAO1.Q3.2 | length 24.3
  Top Layer w0.5: 231.61,65.65 233.77,65.65 H_ASW2P.6@235.04,66.92
  Top Layer w1: SAO1.Q3.2@212.25,67.98 220.56,67.98 222.901,65.639 231.61,65.639
5V12V_LS_2: H_ASW2P.8 J12.1 SAO2.Q3.2 | length 163.4
  Top Layer w0.381: v1(196.89,88.55) 196.89,82.96 v1(196.9,82.95) ; v1(197.63,108.52) v1@197.63,117.13 ; v1(204.81,82.96) 211.46,82.96 224.76,69.66 v1(230.43,69.66)
  Top Layer w0.5: 231.61,63.1 233.76,63.1 H_ASW2P.8@235.04,64.38
  Top Layer w1: SAO2.Q3.2@212.327,48.384 213.244,48.384 214.196,49.336 214.196,56.163 221.143,63.11 231.61,63.11
  Bottom Layer w0.305: v1(196.89,88.55) 197.97,88.55 199.77,90.35 199.77,106.38 v1(197.63,108.52)
  Bottom Layer w0.381: v1(196.9,82.95) 203.22,82.95 203.23,82.96 v1(204.81,82.96) ; v1@197.63,117.11 197.63,137.4 203.263,143.033 J12.1@203.263,160.48 ; v1(230.43,69.66) 230.43,66.88 231.61,65.7 233.72,65.7 H_ASW2P.8@235.04,64.38
  other v1: 197.64,117.11
5V_HS_1: H_ASW1.2 SA1.Q12.7 | length 47.4
  Top Layer w0.305: v1(20.334,41.86) 21.47,42.996 SA1.Q12.7@21.47,43.76
  Bottom Layer w0.305: v1(20.334,41.86) 20.334,22.659 25.659,17.334 38.578,17.334 40,15.911 H_ASW1.2@40,12.54
5V_HS_2: H_ASW1.4 SA1.Q12.10 | length 46.9
  Top Layer w0.305: SA1.Q12.10@22.97,43.76 22.97,42.224 v1(23.334,41.86)
  Bottom Layer w0.305: v1(23.334,41.86) 23.334,23.902 26.902,20.334 39.82,20.334 42.54,17.614 H_ASW1.4@42.54,12.54
5V_HS_3: H_ASW1.6 SA2.Q12.7 | length 39.9
  Top Layer w0.305: v1(31.934,41.86) 33.07,42.996 SA2.Q12.7@33.07,43.76
  Bottom Layer w0.305: v1(31.934,41.86) 31.934,27.556 36.64,22.85 41.31,22.85 45.08,19.08 H_ASW1.6@45.08,12.54
5V_HS_4: H_ASW1.8 SA2.Q12.10 | length 39.4
  Top Layer w0.305: SA2.Q12.10@34.57,43.76 34.57,42.224 v1(34.934,41.86)
  Bottom Layer w0.305: v1(34.934,41.86) 34.934,28.799 37.883,25.85 42.553,25.85 47.62,20.783 H_ASW1.8@47.62,12.54
5V_HS_5: H_ASW1.10 SA3.Q12.7 | length 34.4
  Top Layer w0.305: v1(43.534,41.86) 44.67,42.996 SA3.Q12.7@44.67,43.76
  Bottom Layer w0.305: v1(43.534,41.86) 43.534,30.116 50.16,23.49 H_ASW1.10@50.16,12.54
5V_HS_6: H_ASW1.12 SA3.Q12.10 | length 33.9
  Top Layer w0.305: SA3.Q12.10@46.17,43.76 46.17,42.224 v1(46.534,41.86)
  Bottom Layer w0.305: v1(46.534,41.86) 46.534,31.359 52.7,25.193 H_ASW1.12@52.7,12.54
5V_HS_7: H_ASW1.14 SA4.Q12.7 | length 31.6
  Top Layer w0.305: v1(55.254,41.9) 56.27,42.996 SA4.Q12.7@56.27,43.76
  Bottom Layer w0.305: H_ASW1.14@55.254,12.58 v1(55.254,41.9)
5V_HS_8: H_ASW1.16 SA4.Q12.10 | length 31.5
  Top Layer w0.305: SA4.Q12.10@57.77,43.76 57.77,42.224 v1(58.134,41.86)
  Bottom Layer w0.305: H_ASW1.16@57.78,12.54 57.78,36.601 58.134,36.954 v1(58.134,41.86)
5V_HS_9: H_ASW1.18 SA5.Q12.7 | length 34.5
  Top Layer w0.305: v1(66.756,42.077) 66.951,42.077 67.87,42.996 SA5.Q12.7@67.87,43.76
  Bottom Layer w0.305: H_ASW1.18@60.32,12.54 60.32,35.641 v1(66.756,42.077)
5V_HS_10: H_ASW1.20 SA5.Q12.10 | length 34.2
  Top Layer w0.305: SA5.Q12.10@69.37,43.76 69.37,42.224 v1(69.734,41.86)
  Bottom Layer w0.305: H_ASW1.20@62.86,12.54 62.86,34.986 v1(69.734,41.86)
5V_HS_11: H_ASW1.22 SA6.Q12.7 | length 40.1
  Top Layer w0.305: v1(78.334,41.86) 79.47,42.996 SA6.Q12.7@79.47,43.76
  Bottom Layer w0.305: H_ASW1.22@65.4,12.54 65.4,34.063 73.147,41.81 78.284,41.81 v1(78.334,41.86)
5V_HS_12: H_ASW1.24 SA6.Q12.10 | length 39.2
  Top Layer w0.305: SA6.Q12.10@80.97,43.76 80.97,42.224 v1(81.334,41.86)
  Bottom Layer w0.305: H_ASW1.24@67.94,12.54 67.94,32.36 74.39,38.81 78.284,38.81 v1(81.334,41.86)
5V_HS_13: H_ASW1.26 SA7.Q12.7 | length 42.8
  Top Layer w0.305: v1(89.934,41.86) 91.07,42.996 SA7.Q12.7@91.07,43.76
  Bottom Layer w0.305: H_ASW1.26@70.49,12.54 70.49,27.699 84.651,41.86 v1(89.934,41.86)
5V_HS_14: H_ASW1.28 SA7.Q12.10 | length 43.3
  Top Layer w0.305: SA7.Q12.10@92.57,43.76 92.57,42.224 v1(92.934,41.86)
  Bottom Layer w0.305: H_ASW1.28@73.02,12.54 73.02,28.299 84.661,39.94 91.014,39.94 v1(92.934,41.86)
5V_HS_15: H_ASW1.30 SA8.Q12.7 | length 138.4
  Top Layer w0.305: v1(201.534,12.63) 202.67,13.766 SA8.Q12.7@202.67,14.53
  Bottom Layer w0.305: H_ASW1.30@75.56,12.54 75.56,15.03 77.35,16.82 78.75,16.82 83.347,21.417 184.669,21.417 187.117,18.969 197.405,18.969 201.534,14.84 v1(201.534,12.63)
5V_HS_16: H_ASW1.32 SA8.Q12.10 | length 139.7
  Top Layer w0.305: H_ASW1.32@78.07,12.57 H_ASW1.32@78.1,12.54 ; SA8.Q12.10@204.17,14.53 204.17,12.994 v1(204.534,12.63)
  Top Layer w0.381: H_ASW1.32@78.07,12.57 78.1,12.6 v1(78.1,17.94)
  Bottom Layer w0.305: v1(78.1,17.94) 82.389,22.229 184.651,22.229 184.794,22.086 184.93,22.086 185.315,21.701 185.315,21.565 187.35,19.53 197.634,19.53 v1(204.534,12.63)
5V_HS_17: H_ASW1.34 SA9.Q12.7 | length 120.2
  Top Layer w0.305: v1(189.934,12.63) 191.07,13.766 SA9.Q12.7@191.07,14.53
  Bottom Layer w0.305: H_ASW1.34@80.64,12.54 80.64,14.67 82.27,16.3 84.72,16.3 88.59,20.17 184.152,20.17 189.934,14.388 v1(189.934,12.63)
5V_HS_18: H_ASW1.36 SA9.Q12.10 | length 121.6
  Top Layer w0.305: H_ASW1.36@83.18,12.54 v1(83.18,17.83) ; SA9.Q12.10@192.57,14.53 192.57,12.994 v1(192.934,12.63)
  Bottom Layer w0.305: v1(83.18,17.83) 86.079,20.729 184.383,20.729 192.482,12.63 v1(192.934,12.63)
5V_HS_19: H_ASW1.38 SA10.Q12.7 | length 102.5
  Top Layer w0.305: v1(178.334,12.63) 179.47,13.766 SA10.Q12.7@179.47,14.53
  Bottom Layer w0.305: H_ASW1.38@85.72,12.54 85.72,14.51 87.01,15.8 89.05,15.8 92.283,19.033 173.687,19.033 178.334,14.386 v1(178.334,12.63)